# Altium PCB waffling60-ALPS.PcbDoc (part 1 of 2) (continued)
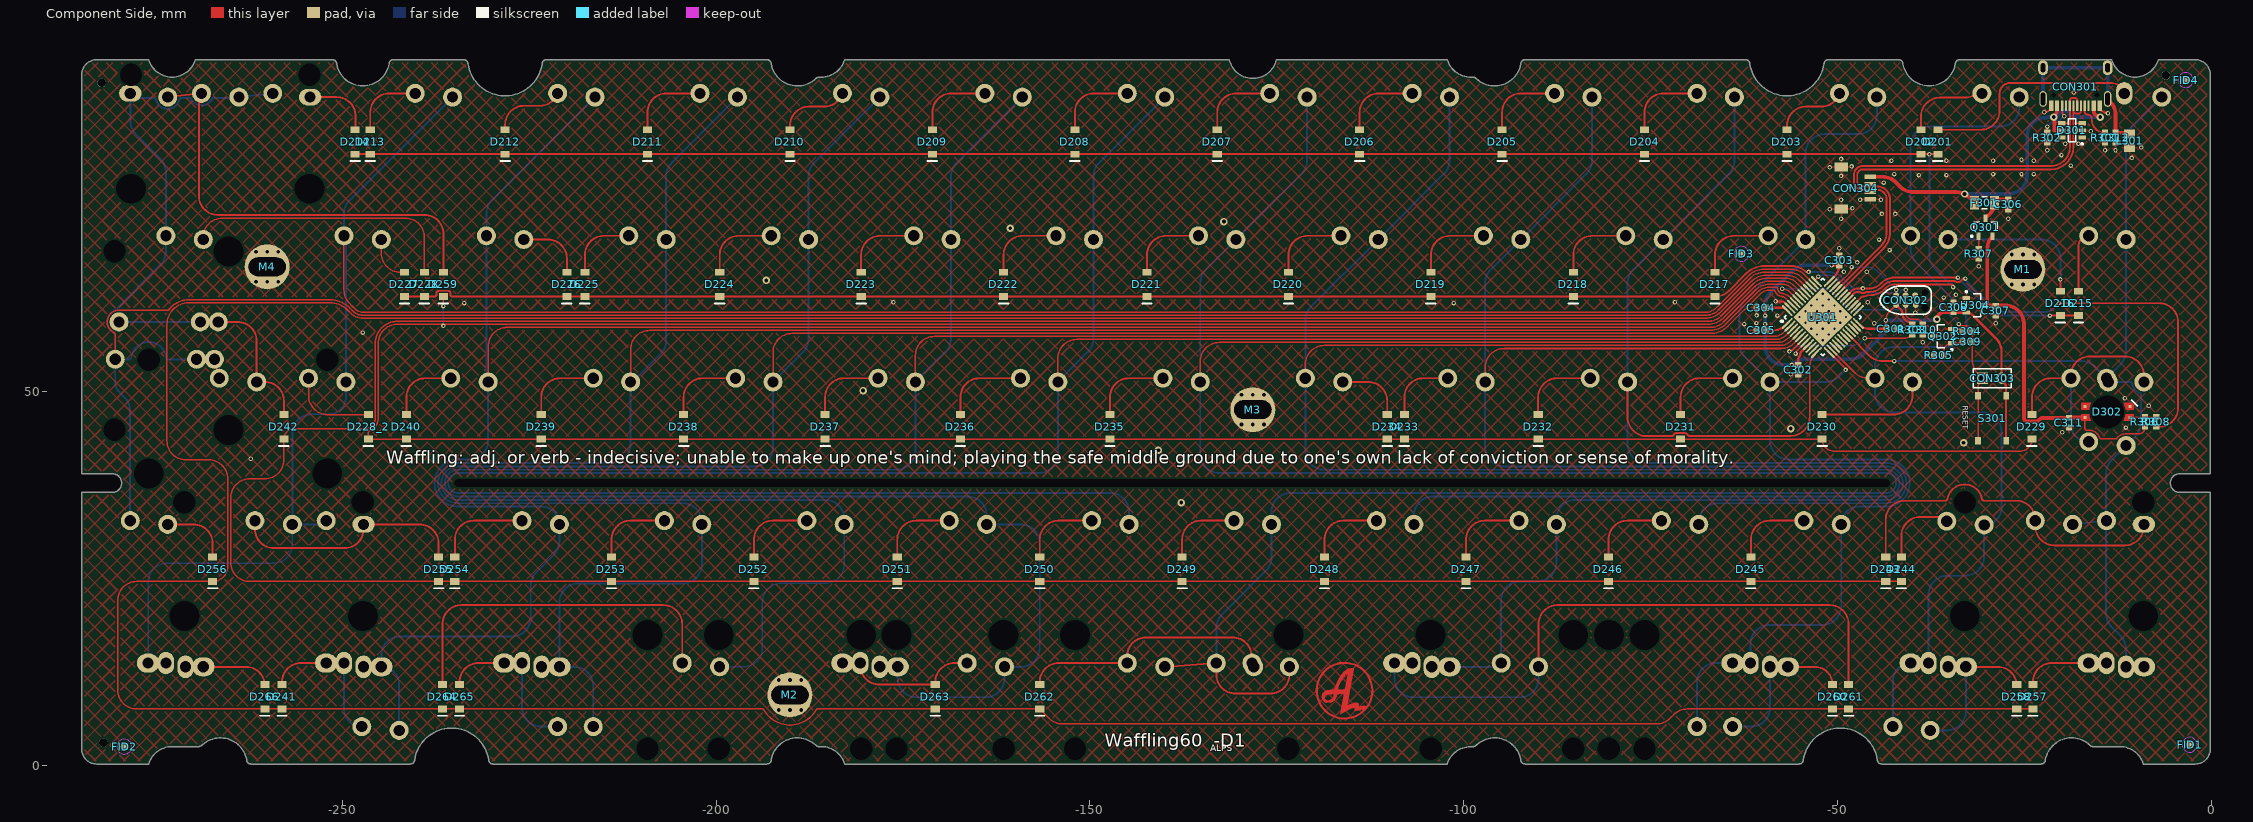
[diagram p0: Component Side view]
## Footprints (in the part's own frame and the unit in brackets; to place one, negate y for a bottom-side part, rotate by r counter-clockwise, add the part's x,y. Pads: shape width x height; smd on the part's side, far side on the other; paste and mask are expansions set on the pad)
Alps-switch#1 [mm]
  oval 3x2.2 hole 1.5 mask+0.102: 1(-2.5,4)
  round 2.54 hole 1.5 mask+0.102: 2(2.5,4.5)
  round 1 on Mech14: ""(0,0)
Alps-switch#2 [mm]
  round 2.54 hole 1.5 mask+0.102: 1(-2.5,4) 2(2.5,4.5)
  round 1 on Mech14: ""(0,0)
Alps-switch#3 [mm]
  oval 3x2.54 hole 1.5 mask+0.102: 1(-2.5,4)
  oval 2.2x3 hole 1.5 mask+0.102: 2(2.5,4.5)
  round 1 on Mech14: ""(0,0)
"ALPS-switch - 1.5u MOD-L" [mm]
  oval 3x2.54 hole 1.5 mask+0.102: 1(-4.881,4) 2(2.5,4.5)
  oval 2.2x3 hole 1.5 mask+0.102: 1(-2.5,4) 2(0.119,4.5)
  round 1 on Mech14: ""(-2.381,0) ""(0,0)
"ALPS-switch - 1.5u MOD-R" [mm]
  oval 3x2.54 hole 1.5 mask+0.102: 1(-2.5,4) 2(4.881,4.5)
  oval 2.2x3 hole 1.5 mask+0.102: 1(-0.119,4) 2(2.5,4.5)
  round 1 on Mech14: ""(0,0) ""(2.381,0)
"ALPS-switch - 3U - rotated stab"#1 [mm]
  oval 3x2.54 hole 1.5 mask+0.102: 1(-2.5,4)
  oval 2.2x3 hole 1.5 mask+0.102: 2(2.5,4.5)
  round 1.524 hole 3 unplated: ""(-19.05,-6.985) ""(19.05,-6.985)
  round 1.524 hole 4 unplated: ""(-19.05,8.255) ""(19.05,8.255)
  round 1 on Mech14: ""(0,0)
"ALPS-switch - 3U - rotated stab"#2 [mm]
  oval 2.2x3 hole 1.5 mask+0.102: 1(-2.5,4)
  oval 3x2.54 hole 1.5 mask+0.102: 2(2.5,4.5)
  round 1.524 hole 3 unplated: ""(-19.05,-6.985) ""(19.05,-6.985)
  round 1.524 hole 4 unplated: ""(-19.05,8.255) ""(19.05,8.255)
  round 1 on Mech14: ""(0,0)
"ALPS-switch - backspace" [mm]
  round 2.54 hole 1.5 mask+0.102: 1(2.5,4.5) 1(7.025,4) 2(-2.5,4)
  oval 3x2.2 hole 1.5 mask+0.102: 2(12.025,4.5)
  round 1.524 hole 4 unplated: ""(-11.938,-8.255) ""(11.938,-8.255)
  round 1.524 hole 3 unplated: ""(-11.938,6.985) ""(11.938,6.985)
  round 1 on Mech14: ""(0,0) ""(9.525,0)
"ALPS-switch - CAPS" [mm]
  round 2.54 hole 1.5 mask+0.102: 1(-7.263,4) 1(0.119,-4) 1(2.5,4.5) 2(-4.881,-4.5) 2(-2.5,4) 2(-2.262,4.5)
  round 1 on Mech14: ""(-4.763,0) ""(-2.381,0) ""(0,0)
"ALPS-switch - L split space_V3" [mm]
  round 2.54 hole 1.5 mask+0.102: 1(12.025,-4) 2(7.025,-4.5)
  round 1.524 hole 4 unplated: ""(-2.413,-8.255)
  round 1.524 hole 3 unplated: ""(-2.413,6.985)
  round 1 on Mech14: ""(9.525,0)
"ALPS-SWITCH - L_ALT - V3" [mm]
  oval 3x2.54 hole 1.5 mask+0.102: 1(-4.881,4) 2(2.5,4.5)
  oval 2.2x3 hole 1.5 mask+0.102: 1(-2.5,4) 2(0.119,4.5)
  round 2.54 hole 1.5 mask+0.102: 1(2.5,-4) 2(7.263,-4)
  round 1 on Mech14: ""(-2.381,0.048) ""(0,0) ""(4.763,0)
"ALPS-switch - L_WIN - V3" [mm]
  oval 3x2.54 hole 1.5 mask+0.102: 1(-4.881,4) 2(2.5,4.5)
  oval 2.2x3 hole 1.5 mask+0.102: 1(-2.5,4) 2(0.119,4.5)
  round 2.54 hole 1.5 mask+0.102: 1(-0.119,-4.5) 2(4.881,-4)
  round 1 on Mech14: ""(-2.381,0) ""(0,0) ""(2.381,0)
"ALPS-switch - Left shift v2" [mm]
  oval 3x2.2 hole 1.5 mask+0.102: 1(-12.025,4)
  round 2.54 hole 1.5 mask+0.102: 1(2.5,4.5) 2(-7.025,4.5) 2(-2.5,4)
  round 1.524 hole 4 unplated: ""(-11.938,-8.255) ""(11.938,-8.255)
  round 1.524 hole 3 unplated: ""(-11.938,6.985) ""(11.938,6.985)
  round 1 on Mech14: ""(-9.525,0) ""(0,0)
"ALPS-switch - R split space_V3" [mm]
  round 2.54 hole 1.5 mask+0.102: 1(2.5,-4) 2(-2.5,-4.5)
  round 1.524 hole 4 unplated: ""(-11.938,-8.255) ""(11.938,-8.255)
  round 1.524 hole 3 unplated: ""(-11.938,6.985) ""(11.938,6.985)
  round 1 on Mech14: ""(0,0)
"ALPS-SWITCH - R_ALT - V3" [mm]
  round 2.54 hole 1.5 mask+0.102: 1(-7.025,-4) 2(-2.262,-4)
  oval 3x2.54 hole 1.5 mask+0.102: 1(-2.5,4) 2(4.881,4.5)
  oval 2.2x3 hole 1.5 mask+0.102: 1(-0.119,4) 2(2.5,4.5)
  round 1 on Mech14: ""(-4.763,0) ""(0,0) ""(2.381,0)
"ALPS-switch - R_WIN V3" [mm]
  round 2.54 hole 1.5 mask+0.102: 1(-4.881,-4.5) 2(0.119,-4)
  oval 3x2.54 hole 1.5 mask+0.102: 1(-2.5,4) 2(4.881,4.5)
  oval 2.2x3 hole 1.5 mask+0.102: 1(-0.119,4) 2(2.5,4.5)
  round 1 on Mech14: ""(-2.381,0) ""(0,0) ""(2.381,0)
"ALPS-switch - right shift - stabs" [mm]
  round 2.54 hole 1.5 mask+0.102: 1(-7.025,4.5) 1(-2.5,4) 2(2.5,4.5)
  oval 3x2.2 hole 1.5 mask+0.102: 2(-12.025,4)
  round 1.524 hole 4 unplated: ""(-11.938,-8.255) ""(11.938,-8.255)
  round 1.524 hole 3 unplated: ""(-11.938,6.985) ""(11.938,6.985)
  round 1 on Mech14: ""(-9.525,0) ""(0,0)
"ALPS-switch - Space_V3" [mm]
  round 2.54 hole 1.5 mask+0.102: 1(-19.176,4) 1(-9.406,4.5) 1(-2.5,4) 2(-14.406,4) 2(-14.176,4.5) 2(2.5,4.5)
  round 1.524 hole 3 unplated: ""(-61.91,-6.985) ""(-57.15,-6.985) ""(38.09,-6.985) ""(57.15,-6.985)
  round 1.524 hole 4 unplated: ""(-61.91,8.255) ""(-57.15,8.255) ""(38.09,8.255) ""(57.15,8.255)
  round 1 on Mech14: ""(-16.676,0) ""(-11.906,0) ""(0,0)
"Alps-switch - switched pol"#1 [mm]
  oval 2.2x3 hole 1.5 mask+0.102: 1(2.5,4.5)
  round 2.54 hole 1.5 mask+0.102: 2(-2.5,4)
  round 1 on Mech14: ""(0,0)
"Alps-switch - switched pol"#2 [mm]
  round 2.54 hole 1.5 mask+0.102: 1(2.5,4.5) 2(-2.5,4)
  round 1 on Mech14: ""(0,0)
"Alps-switch - switched pol"#3 [mm]
  oval 3x2.54 hole 1.5 mask+0.102: 1(2.5,4.5)
  oval 2.2x3 hole 1.5 mask+0.102: 2(-2.5,4)
  round 1 on Mech14: ""(0,0)
C0603[1608] [mm] "Chip Resistor, 2-Leads, Body 1,57x0,80mm, IPC Medium Density"
  rect 0.8x0.85 smd: 1(-0.65,0) 2(0.65,0)
  body extent -0.83,-0.43 0.82,0.43, height 0.5
C1206[3216] [mm]
  rect 1.2x1.8 smd: 1(-1.35,0) 2(1.35,0)
  silkscreen extent -0.35,-0.8 0.35,0.8, body extent -1.6,-0.9 1.6,0.9, height 1.2
Fiducial_Nordic [mm]
  round 1 smd paste+0 mask+0.5: 0(0,0)
  Component Side keep-out circle w0.01: c0,0 r1
HDR1X2 [mm] "Connector; Header; 2 Position"
  rect 1.5x1.5 hole 0.9: 1(0,0)
  round 1.5 hole 0.9: 2(2.54,0)
  silkscreen extent -1.27,-1.27 3.81,1.27
"JST SM04B-SRSS-TB" [mm]
  rect 0.6x1.55 smd: 1(-1.5,3.875) 2(-0.5,3.875) 3(0.5,3.875) 4(1.5,3.875)
  rect 1.2x1.8 smd: 5(-2.8,0) 5(2.8,0)
  body extent -3.01,-0.76 2.99,4.19, height 3.25
L0805 [mm] "based on Sunlord-GZ2012D101TF_C1015 datasheet"
  rect 1.16x1.47 smd: 1(-0.92,0) 2(0.92,0)
  body extent -1.15,-0.72 1.15,0.72, height 1.02
mounting_hole [mm]
  round 1 hole 0.5 paste+0 mask+0: 1(-1.5,-2) 1(-1.5,2) 1(0,-2) 1(0,2) 1(1.5,-2) 1(1.5,2)
  round 6 hole 2.5 slot 5 at 0 deg mask+0: 1(0,0)
R0603[1608] [mm] "Chip Resistor, 2-Leads, Body 1,57x0,80mm, IPC Medium Density"
  rect 0.8x0.85 smd: 1(-0.65,0) 2(0.65,0)
  body extent -0.83,-0.43 0.82,0.43, height 0.5
"SK6812MINI-E - shaped" [mm]
  rect 0.4x0.4 smd: 1(3,0.75) 2(3,-0.75) 3(-3,-0.75) 4(-3,0.75)
  round 1 hole 4.4 unplated: ""(0,0)
  Component Side region: -3.5,0.304 -3.5,1.195 -2.157,1.195 -2.345,0.764 -2.447,0.304 -2.447,0.304 -2.449,0.304
  Component Side region: 2.447,0.304 2.345,0.764 2.157,1.195 2.157,1.195 3.5,1.195 3.5,0.304
  Component Side region: 2.157,-1.195 3.5,-1.195 3.5,-0.304 2.449,-0.304 2.447,-0.304 2.345,-0.764 2.157,-1.195
  Component Side region: -3.25,-1.195 -3.5,-0.945 -3.5,-0.304 -2.449,-0.304 -2.447,-0.304 -2.345,-0.764 -2.157,-1.195 -2.157,-1.195
  silkscreen extent -4.06,-1.65 -3.17,-0.76, body extent -2.94,-1.4 2.94,1.4, height 0.94
SOD-123 [mm]
  rect 0.91x1.22 smd: 1(1.635,0) 2(-1.635,0)
  silkscreen extent -2.54,-0.64 -2.54,0.63, body extent -1.87,-0.85 1.88,0.85, height 1.2
SOT-23-3 [mm] "3.3v regulator, used in Windsond S2 proto 1"
  rect 1x0.55 smd: 1(-1.2,0.95) 2(-1.2,-0.95) 3(1.2,0)
  silkscreen extent -1.32,-1.55 0.7,1.95, body extent -1.45,-1.5 1.1,1.5, height 1
SOT-23-6 [mm]
  rect 1x0.55 smd: 1(-1.375,0.95) 2(-1.375,0) 3(-1.375,-0.95) 4(1.375,-0.95) 5(1.375,0) 6(1.375,0.95)
  silkscreen extent -1.5,-1.55 0.46,1.92, body extent -1.37,-1.44 1.47,1.49, height 1.05
"Stab 10U" [mil]
  round 60 hole 157.48 unplated: ""(-2625,-325) ""(2625,-325)
  round 60 hole 118.11 unplated: ""(-2625,275) ""(2625,275)
  round 39.37 on Mech14: ""(0,0)
"STM32 - COMBO 7X7MM" [mm] "LQFP48, 7x7mm"
  oval 1.45x0.3 smd paste-5: 1(-4.225,2.75) 2(-4.225,2.25) 3(-4.225,1.75) 4(-4.225,1.25) 5(-4.225,0.75) 6(-4.225,0.25) 7(-4.225,-0.25) 8(-4.225,-0.75) 9(-4.225,-1.25) 10(-4.225,-1.75) 11(-4.225,-2.25) 12(-4.225,-2.75) 25(4.225,-2.75) 26(4.225,-2.25) 27(4.225,-1.75) 28(4.225,-1.25) 29(4.225,-0.75) 30(4.225,-0.25) 31(4.225,0.25) 32(4.225,0.75) 33(4.225,1.25) 34(4.225,1.75) 35(4.225,2.25) 36(4.225,2.75)
  oval 0.8x0.25 smd: 1(-3.4,2.75) 2(-3.4,2.25) 3(-3.4,1.75) 4(-3.4,1.25) 5(-3.4,0.75) 6(-3.4,0.25) 7(-3.4,-0.25) 8(-3.4,-0.75) 9(-3.4,-1.25) 10(-3.4,-1.75) 11(-3.4,-2.25) 12(-3.4,-2.75) 25(3.4,-2.75) 26(3.4,-2.25) 27(3.4,-1.75) 28(3.4,-1.25) 29(3.4,-0.75) 30(3.4,-0.25) 31(3.4,0.25) 32(3.4,0.75) 33(3.4,1.25) 34(3.4,1.75) 35(3.4,2.25) 36(3.4,2.75)
  oval 0.25x0.8 smd: 13(-2.75,-3.4) 14(-2.25,-3.4) 15(-1.75,-3.4) 16(-1.25,-3.4) 17(-0.75,-3.4) 18(-0.25,-3.4) 19(0.25,-3.4) 20(0.75,-3.4) 21(1.25,-3.4) 22(1.75,-3.4) 23(2.25,-3.4) 24(2.75,-3.4) 37(2.75,3.4) 38(2.25,3.4) 39(1.75,3.4) 40(1.25,3.4) 41(0.75,3.4) 42(0.25,3.4) 43(-0.25,3.4) 44(-0.75,3.4) 45(-1.25,3.4) 46(-1.75,3.4) 47(-2.25,3.4) 48(-2.75,3.4)
  oval 0.3x1.45 smd paste-5: 13(-2.75,-4.225) 14(-2.25,-4.225) 15(-1.75,-4.225) 16(-1.25,-4.225) 17(-0.75,-4.225) 18(-0.25,-4.225) 19(0.25,-4.225) 20(0.75,-4.225) 21(1.25,-4.225) 22(1.75,-4.225) 23(2.25,-4.225) 24(2.75,-4.225) 37(2.75,4.225) 38(2.25,4.225) 39(1.75,4.225) 40(1.25,4.225) 41(0.75,4.225) 42(0.25,4.225) 43(-0.25,4.225) 44(-0.75,4.225) 45(-1.25,4.225) 46(-1.75,4.225) 47(-2.25,4.225) 48(-2.75,4.225)
  rect 5.6x5.6 smd: 47(0,0)
  silkscreen extent -4.43,-3.65 3.65,3.65, body extent -3.52,-3.52 3.52,3.52, height 0.5
TC2030-IDC-NL [mm] "Tag-Connect 6-Pin with No Legs (PN# TC2030-IDC-NL)"
  round 0.9 hole 0.995 unplated: 0(-2.54,0) 0(2.54,-1.016) 0(2.54,1.016)
  round 0.79 smd paste-0.39: 1(-1.27,-0.635) 2(-1.27,0.635) 3(0,-0.635) 4(0,0.635) 5(1.35,-0.635) 6(1.27,0.635)
  silkscreen extent -3.43,-1.91 3.43,1.9
TYPE-C-31-M-12 [mm]
  rect 0.6x1.45 smd: A1B12(-3.25,0) A4B9(-2.45,0) B1A12(3.25,0) B4A9(2.45,0)
  rect 0.3x1.45 smd: A5(-1.25,0) A6(-0.25,0) A7(0.25,0) A8(1.25,0) B5(1.75,0) B6(0.75,0) B7(-0.75,0) B8(-1.75,0)
  oval 1x2.1 / inner oval 1.3x2.4 / far side oval 1.3x2.4 hole 0.6 slot 1.7 at 90 deg: S1(-4.32,-0.915) S1(4.32,-0.915)
  oval 1.3x2 hole 0.6 slot 1.2 at 90 deg: S1(-4.32,-5.095) S1(4.32,-5.095)
  round 0 hole 0.65 unplated: ""(-2.89,-1.445) ""(2.89,-1.445)
  body extent -4.47,-7.72 4.47,0.18, height 3.21
"XKB Switch" [mm] "XKB Enterprise TS-1187A-C-D-B"
  rect 1x0.75 smd: 1(-3,1.875) 1(3,1.875) 2(-3,-1.875) 2(3,-1.875)
  body extent -3.25,-2.55 3.25,2.55, height 2
? [mm]
  round 2.54 hole 1.5 mask+0.102: 1(-2.5,4) 1(2.649,12.03) 1(5.03,12.03) 1(15.911,12.03) 2(2.5,4.5) 2(3.149,7.03) 2(5.53,7.03) 2(16.411,7.03)
  round 1.524 hole 4 unplated: ""(-11.938,-8.255) ""(1.275,-2.408) ""(1.275,21.468) ""(11.938,-8.255)
  round 1.524 hole 3 unplated: ""(-11.938,6.985) ""(11.938,6.985) ""(16.515,-2.408) ""(16.515,21.468)
  round 1 on Mech14: ""(0,0) ""(7.149,9.53) ""(9.53,9.53) ""(11.911,9.53)

## Part data
C301 C302 C303 C304 C305 C311 C312: library part Cap, "Capacitor", LCSC MFG=YAGEO, LCSC Part #=C14663, MRF.Part=CC0603KRX7R9BB104, Version="0603 imperial"
C306 C309: library part Cap, "Capacitor", LCSC MFG="Samsung Electro-Mechanics", LCSC Part #=C19666, MRF.Part=CL10A475KO8NNNC, Version="0603 imperial"
C307 C308: library part Cap, "Capacitor", LCSC MFG="Samsung Electro-Mechanics", LCSC Part #=C15849, MRF.Part=CL10A105KB8NNNC, Version="0603 imperial"
C310: library part Cap, "Capacitor", LCSC MFG="Samsung Electro-Mechanics", LCSC Part #=C1623, MRF.Part=CL10B474KA8NNNC, Version="0603 imperial"
CON301: LCSC MFG="Korean Hroparts Elec", LCSC Part #=C165948, MRF.Part=TYPE-C-31-M-12
CON302: library part "Header 3X2", "Header, 3-Pin, Dual row"
CON303: "Header, 2-Pin"
CON304: "JST for USB daughter board", LCSC MFG="JST Sales America", LCSC Part #=C160404, MRF.Part=SM04B-SRSS-TB(LF)(SN)
D201 D202 D203 D204 D205 D206 D207 D208 D209 D210 D211 D212 D213 D214 D215 D216 D217 D218 D219 D220 D221 D222 D223 D224 D225 D226 D227 D228 D228_2 D229 D230 D231 D232 D233 D234 D235 D236 D237 D238 D239 D240 D241 D242 D243 D244 D245 D246 D247 D248 D249 D250 D251 D252 D253 D254 D255 D256 D257 D258 D259 D260 D261 D262 D263 D264 D265 D266: "Default Diode", LCSC MFG=ST(Semtech), LCSC Part #=C81598, MRF.Part=1N4148W, Version=SOD-123
D301: LCSC MFG="ProTek Devices", LCSC Part #=C85364, MRF.Part=SRV05-4-P-T7
D302: LCSC MFG=TONYU, LCSC Part #=C524051, MRF.Part=DY-S352818/RGBC/6812-2T
F301: "Thermal Fuse", LCSC MFG="Shenzhen JDT Fuse", LCSC Part #=C135338, MRF.Part=ASMD1206-050
L301: LCSC MFG=Sunlord, LCSC Part #=C1015, MRF.Part=GZ2012D101TF, Version="0806 imperial"
Q301: "P-Channel Power MOSFET", LCSC MFG="Vishay Intertech", LCSC Part #=C10487, MRF.Part=SI2301CDS-T1-GE3, Version=SOT23-3
Q302: library part MOSFET-N, "N-Channel MOSFET", LCSC MFG="Changjiang Electronics Tech (CJ)", LCSC Part #=C8545, MRF.Part=2N7002
R301 R302: "Resistor", LCSC MFG="Uniroyal Elec", LCSC Part #=C23186, MRF.Part=0603WAF5101T5E, Version="0603 imperial"
R303 R304 R306 R307: "Resistor", LCSC MFG="Uniroyal Elec", LCSC Part #=C25804, MRF.Part=0603WAF1002T5E, Version="0603 imperial"
R305: "Resistor", LCSC MFG="Uniroyal Elec", LCSC Part #=C25803, MRF.Part=0603WAF1003T5E, Version="0603 imperial"
R308: "Resistor", LCSC MFG="UNI-ROYAL(Uniroyal Elec)", LCSC Part #=C23179, MRF.Part=0603WAF4700T5E, Version="0603 imperial"
S201 S202 S203 S204 S205 S206 S207 S208 S209 S210 S211 S212 S213 S214 S216 S217 S218 S219 S220 S221 S222 S223 S224 S225 S226 S227 S228 S228_2 S229 S230 S231 S232 S233 S234 S235 S236 S237 S238 S239 S240 S241 S242 S243 S244 S245 S246 S247 S248 S249 S250 S251 S252 S253 S254 S256 S257 S258 S259 S260 S261 S261_1 S261_2 S262 S263 S263_1 S263_2 S264 S265 S266 S269: library part SW-PB, "Switch"
S215: library part SW-PB, "TAB"
S301: "Switch", LCSC MFG="XKB Enterprise", LCSC Part #=C318888, MRF.Part=TS-1187A-C-D-B
U301: LCSC MFG=Geehy, LCSC Part #=C915660, MRF.Part=APM32F072CBT6
U304: library part "SOT23 LDO", LCSC MFG="Torex Semicon", LCSC Part #=C5446, MRF.Part=XC6206P332MR

## Free pads (board coordinates)
  round 1.152 hole 1.152 unplated paste+0.148 mask+0.148: ""(-282.194,91.313) ""(-281.94,3.048) ""(-6.096,92.329)
  round 0 hole 1 slot 192 at 0 deg unplated: ""(-139,37.79)

## Via types
v1: diameter 0.6, hole 0.3, Component Side to Bottom Layer, tented both sides, 102 vias
v2: diameter 0.6, hole 0.3, Component Side to Bottom Layer, tented bottom, 25 vias
v3: diameter 1, hole 0.5, Component Side to Bottom Layer, tented both sides, 12 vias

## Nets (pads, with @x,y where several pads share a name; then routed paths per layer and width w, separated by ;. In a path a pad name is that pad's centre, name@x,y a point inside that pad or via, vN(x,y) a via of type N, cw(c..) or ccw(c..) an arc to the next point about the centre after c; other vN are vias at no path point)
BOOT0: C309.1 CON303.1 R304.1 S301.2 U301.44 | length 46.1
  Component Side w0.203: v1(-57.404,63.777) cw(c-57.404,62.339) -57.245,63.769 cw(c-57.404,62.339) -56.387,63.356 U301.44@-55.488,62.457 ; v1(-33.782,59.055) ccw(c-33.528,59.055) -33.528,58.801 -32.716,58.801 cw(c-32.716,58.074) R304.1@-31.989,58.074 C309.1@-31.989,56.677 -31.989,54.25 ccw(c-29.449,54.25) -31.245,52.454 CON303.1@-30.607,51.816 ccw(c-29.146,50.355) -31.212,50.355 S301.2@-31.212,49.482 S301.2@-31.212,43.482
  Bottom Layer w0.203: v1(-57.404,63.777) -52.009,63.777 cw(c-52.009,61.529) -50.419,63.119 -48.895,61.595 ccw(c-47.362,63.128) -48.894,61.594 ccw(c-47.362,63.128) -47.362,60.96 -41.687,60.96 ccw(c-41.687,62.261) -40.767,61.341 -40.618,61.49 cw(c-38.831,59.703) -38.831,62.23 -38.009,62.23 cw(c-38.009,59.69) -36.239,61.512 cw(c-38.009,59.69) -36.213,61.486 v1(-33.782,59.055)
col1: S201.2 S215.2 S229.2 S243.2 S257.1 U301.20 | length 126.8
  Component Side w0.254: U301.20@-48.452,57.543 -45.755,54.846 ccw(c-43.959,56.642) -43.959,54.102 v1(-42.418,54.102)
  Bottom Layer w0.254: v1(-42.418,54.102) -17.37,54.102 cw(c-17.37,51.562) -15.574,53.358 S229.2@-14.031,51.815 -12.156,53.69 ccw(c-13.952,55.486) -11.412,55.486 S215.2@-11.412,70.365 -11.412,83.6 cw(c-8.872,83.6) -10.669,85.396 S201.2@-6.65,89.415 ; S243.2@-18.556,32.265 S243.2@-14.071,32.761 ; S243.2@-14.031,32.765 S243.2@-14.071,32.761 ; S229.2@-13.794,51.315 -10.866,51.315 cw(c-10.865,51.061) -10.613,51.096 ccw(c-9.031,51.315) -9.554,49.806 cw(c-9.031,51.315) -10.282,50.322 ; S257.1@-11.412,13.215 -11.412,15.567 ccw(c-13.952,15.567) -12.156,17.363 -13.327,18.534 cw(c-11.531,20.33) -14.071,20.33 S243.2@-14.071,32.761 ; -9.553,49.806 cw(c-9.635,49.565) -9.551,49.805 cw(c-9.635,49.565) -9.398,49.657 -9.398,45.882 cw(c-11.938,45.882) -10.142,44.086 S229.2@-11.412,42.815 -13.327,40.9 ccw(c-11.531,39.104) -14.071,39.104 S243.2@-14.071,32.761
col2: S202.2 S216.2 S230.2 S244.1 S258.2 U301.14 | length 139.1
  Component Side w0.203: U301.14@-50.573,55.421 -47.711,52.559 ccw(c-45.915,54.355) -45.915,51.815 S230.2@-44.987,51.815
  Bottom Layer w0.254: S258.2@-42.606,5.215 -42.606,11.334 cw(c-40.224,11.334) S258.2@-40.224,13.715 ; S258.2@-37.843,13.715 -37.843,22.86 cw(c-35.303,22.86) -35.303,25.4 -32.933,25.4 ccw(c-32.933,27.94) -30.393,27.94 S244.1@-30.393,32.194 ccw(c-30.393,34.52) -28.067,34.52 -28.067,44.704 ccw(c-30.607,44.704) -30.607,47.244 -42.447,47.244 cw(c-42.447,49.784) -44.987,49.784 S230.2@-44.987,51.815 -44.987,53.467 cw(c-42.447,53.467) -42.447,56.007 -35.306,56.007 ccw(c-35.306,58.547) -32.766,58.547 -32.766,59.527 ccw(c-35.306,59.527) -33.51,61.323 -39.481,67.294 cw(c-37.685,69.09) -40.225,69.09 S216.2@-40.225,70.865 -40.225,82.931 cw(c-37.685,82.931) -37.685,85.471 -28.24,85.471 ccw(c-28.24,88.011) -25.7,88.011 S202.2@-25.7,89.415
col3: S203.2 S217.2 S231.2 S245.2 S260.2 U301.13 | length 147
  Component Side w0.254: U301.13@-50.927,55.068 -48.995,53.135 -48.995,52.992 v1(-48.928,52.926)
  Bottom Layer w0.254: S260.2@-68.799,5.215 -68.799,11.175 cw(c-66.259,11.175) -66.259,13.715 S260.2@-64.037,13.715 ; S260.2@-61.656,13.715 -61.656,16.256 cw(c-59.116,16.256) -59.116,18.796 -52.052,18.796 ccw(c-52.052,21.336) -49.512,21.336 S245.2@-49.512,32.265 cw(c-47.135,32.265) -47.135,34.642 -43.5,34.642 ccw(c-43.5,37.79) -43.5,40.938 -56.497,40.938 cw(c-56.497,43.478) -59.037,43.478 S231.2@-59.037,51.315 ; v1(-48.928,52.926) -49.795,52.059 cw(c-51.591,53.855) -51.591,51.315 S231.2@-59.037,51.315 ; S203.2@-44.75,89.415 -44.75,86.995 cw(c-47.29,86.995) -47.29,84.455 -51.735,84.455 ccw(c-51.735,81.915) -54.275,81.915 S217.2@-54.275,70.365 -62.375,62.265 ccw(c-60.579,60.469) -63.119,60.469 -63.119,56.449 ccw(c-60.579,56.449) -62.375,54.653 S231.2@-59.037,51.315
col4: S204.2 S218.2 S232.2 S246.2 U301.12 | length 164.4
  Component Side w0.254: S232.2@-78.087,51.452 S232.2@-78.087,51.315 -78.087,46.609 ccw(c-75.547,46.609) -76.017,44.113 ccw(c-75.971,44.363) -75.972,44.109 -72.136,44.109 ccw(c-72.138,44.363) -71.904,44.263 cw(c-71.603,44.135) -71.603,44.462 -70.383,44.462 cw(c-70.383,44.135) -70.082,44.262 ccw(c-69.848,44.363) -69.85,44.109 -56.261,44.109 ccw(c-56.261,46.649) -53.721,46.649 -53.721,53.359 cw(c-51.304,53.359) U301.12@-53.013,55.068
  Bottom Layer w0.254: S246.2@-68.562,32.265 -68.562,32.556 cw(c-66.022,32.556) -66.022,35.096 -43.5,35.096 ccw(c-43.5,37.79) -43.5,40.484 -75.547,40.484 cw(c-75.547,43.024) -78.087,43.024 S232.2@-78.087,51.315 -78.087,64.55 cw(c-75.547,64.55) -77.344,66.346 S218.2@-73.325,70.365 -64.544,79.146 ccw(c-66.34,80.942) -63.8,80.942 S204.2@-63.8,89.415
col5: S205.2 S219.2 S233.2 S247.2 S261.2 S261_1.2 S261_2.1 U301.6 | length 237.8
  Component Side w0.203: S233.2@-97.137,51.315 -97.137,53.251 cw(c-94.597,53.251) -94.597,55.791 -57.521,55.791 ccw(c-57.521,58.178) -55.834,56.49 ; -55.833,56.49 U301.6@-55.134,57.189
  Bottom Layer w0.254: S261_2.1@-101.899,13.215 -95.493,13.215 ccw(c-95.493,13.715) S261.2@-94.993,13.715 -94.993,22.098 cw(c-92.453,22.098) -92.453,24.638 -90.152,24.638 ccw(c-90.152,27.178) -87.612,27.178 S247.2@-87.612,32.265 -87.612,33.01 cw(c-85.072,33.01) -85.072,35.55 -43.5,35.55 ccw(c-43.5,37.79) -43.5,40.03 -94.597,40.03 cw(c-94.597,42.57) -97.137,42.57 S233.2@-97.137,51.315 -97.137,64.55 cw(c-94.597,64.55) -96.394,66.346 S219.2@-92.375,70.365 -83.594,79.146 ccw(c-85.39,80.942) -82.85,80.942 S205.2@-82.85,89.415
col6: S206.2 S220.2 S234.2 S248.2 U301.5 | length 275.1
  Component Side w0.203: S234.2@-121.187,51.815 -121.187,53.654 cw(c-118.647,53.654) -118.647,56.194 -57.79,56.194 ccw(c-57.79,58.496) -56.163,56.868 ccw(c-57.79,58.496) -56.162,56.869 U301.5@-55.488,57.543
  Bottom Layer w0.254: S248.2@-106.662,32.265 -106.662,33.464 cw(c-104.122,33.464) -104.122,36.004 -43.5,36.004 ccw(c-43.5,37.79) -43.5,39.576 -118.647,39.576 cw(c-118.647,42.116) -121.187,42.116 S234.2@-121.187,51.815 -121.187,59.55 cw(c-118.647,59.55) -120.444,61.346 S220.2@-111.425,70.365 -102.644,79.146 ccw(c-104.44,80.942) -101.9,80.942 S206.2@-101.9,89.415
col7: S207.2 S221.2 S235.2 S249.2 S262.1 U301.4 | length 364
  Component Side w0.203: S235.2@-135.237,51.315 -135.237,54.058 cw(c-132.697,54.058) -132.697,56.598 -58.059,56.598 ccw(c-58.059,58.815) -56.492,57.246 ; -56.491,57.247 U301.4@-55.841,57.896
  Component Side w0.254: S262.1@-139.999,13.215 S262.1@-133.093,13.715 -133.093,12.192 ccw(c-130.553,12.192) -130.553,9.652 -125.863,9.652 ccw(c-125.863,12.192) -123.323,12.192 S262.1@-123.323,13.215 ; S262.1@-133.443,14.295 S262.1@-133.443,14.605
  Bottom Layer w0.254: S262.1@-133.093,13.715 -133.093,18.382 cw(c-130.553,18.382) -132.349,20.178 -126.456,26.071 ccw(c-128.252,27.867) -125.712,27.867 S249.2@-125.712,32.265 -125.712,33.918 cw(c-123.172,33.918) -123.172,36.458 -43.5,36.458 ccw(c-43.5,37.79) -43.5,39.122 -132.697,39.122 cw(c-132.697,41.662) -135.237,41.662 S235.2@-135.237,51.315 -135.237,64.55 cw(c-132.697,64.55) -134.494,66.346 S221.2@-130.475,70.365 -121.694,79.146 ccw(c-123.49,80.942) -120.95,80.942 S207.2@-120.95,89.415
col8: S208.2 S222.2 S236.2 S250.2 U301.3 | length 335.3
  Component Side w0.203: S236.2@-154.287,51.315 -154.287,54.461 cw(c-151.747,54.461) -151.747,57.001 -58.327,57.001 ccw(c-58.327,59.133) -56.82,57.625 U301.3@-56.195,58.25
  Bottom Layer w0.254: S250.2@-144.762,32.265 -144.762,33.918 ccw(c-147.302,33.918) -147.302,36.458 -234.5,36.458 cw(c-234.5,37.79) -234.5,39.122 -156.827,39.122 ccw(c-156.827,41.662) -154.287,41.662 S236.2@-154.287,51.315 -150.269,55.334 ccw(c-152.065,57.13) -149.525,57.13 S222.2@-149.525,70.365 -149.525,78.838 cw(c-146.985,78.838) -148.781,80.634 S208.2@-140,89.415
col9: S209.2 S223.2 S237.2 S251.2 S263.1 S263_1.1 S263_2.1 U301.2 | length 365.7
  Component Side w0.203: S237.2@-173.337,51.315 -173.337,54.864 cw(c-170.797,54.864) -170.797,57.404 -58.596,57.404 ccw(c-58.596,59.452) -57.149,58.003 U301.2@-56.549,58.603
  Bottom Layer w0.254: S263_1.1@-175.718,13.215 -175.718,11.684 ccw(c-173.178,11.684) -173.178,9.144 -163.971,9.144 ccw(c-163.971,11.684) -161.431,11.684 S263.1@-161.431,13.215 -159.258,13.215 ccw(c-159.258,15.755) -156.718,15.755 -156.718,29.725 ccw(c-159.258,29.725) -159.258,32.265 S251.2@-163.812,32.265 -163.812,33.464 ccw(c-166.352,33.464) -166.352,36.004 -234.5,36.004 cw(c-234.5,37.79) -234.5,39.576 -175.877,39.576 ccw(c-175.877,42.116) -173.337,42.116 S237.2@-173.337,51.315 -169.319,55.334 ccw(c-171.115,57.13) -168.575,57.13 S223.2@-168.575,70.365 -168.575,78.838 cw(c-166.035,78.838) -167.831,80.634 S209.2@-159.05,89.415
col10: S210.2 S224.2 S238.2 S252.2 S264.2 U301.46 | length 334
  Component Side w0.203: S238.2@-192.387,51.315 -192.387,55.267 cw(c-189.847,55.267) -189.847,57.807 -67.023,57.807 ccw(c-67.023,61.154) -64.657,58.787 ; -64.657,58.787 -60.594,62.85 ; -60.594,62.85 -60.382,63.062 ; -60.382,63.062 cw(c-59.153,61.839) -59.153,63.573 -58.54,63.573 cw(c-58.541,63.369) -58.35,63.439 ccw(c-57.404,63.777) -58.083,63.036 ccw(c-57.404,63.777) -57.631,62.799 cw(c-57.677,62.601) -57.601,62.789 ccw(c-57.447,63.162) -57.505,62.763 ccw(c-57.447,63.162) -57.501,62.762 cw(c-57.649,61.731) -57.353,62.73 ; -57.249,62.709 ccw(c-57.308,62.514) -57.285,62.716 cw(c-57.24,63.117) -57.353,62.73 ; U301.46@-56.195,61.75 -56.912,62.468 ccw(c-57.649,61.731) -57.353,62.73
  Bottom Layer w0.203: S264.2@-199.531,13.215 -196.342,13.215 ccw(c-196.342,15.755) -193.802,15.755 -193.802,21.844 cw(c-191.262,21.844) -191.262,24.384 -185.402,24.384 ccw(c-185.402,26.924) -182.862,26.924 S252.2@-182.862,32.265
  Bottom Layer w0.254: S252.2@-182.862,32.265 -182.862,33.01 ccw(c-185.402,33.01) -185.402,35.55 -234.5,35.55 cw(c-234.5,37.79) -234.5,40.03 -194.927,40.03 ccw(c-194.927,42.57) -192.387,42.57 S238.2@-192.387,51.315 -188.369,55.334 ccw(c-190.165,57.13) -187.625,57.13 S224.2@-187.625,70.365 -187.625,78.838 cw(c-185.085,78.838) -186.881,80.634 S210.2@-178.1,89.415
col11: S211.2 S225.2 S239.2 S253.2 S265.1 U301.45 | length 331.4
  Component Side w0.203: S239.2@-211.437,51.315 -211.437,55.67 cw(c-208.897,55.67) -208.897,58.21 -67.023,58.21 ccw(c-67.023,61.154) -64.943,59.071 -60.879,63.135 -60.665,63.349 cw(c-59.153,61.839) -59.153,63.976 -58.193,63.976 cw(c-58.209,63.773) -58.006,63.775 ccw(c-57.404,63.777) -58.003,63.722 ccw(c-57.404,63.777) -57.511,63.185 cw(c-57.549,62.986) -57.448,63.162 cw(c-57.672,61.346) -56.377,62.64 U301.45@-55.841,62.104 ; -57.447,63.162 cw(c-57.649,61.731) -57.24,63.117
  Bottom Layer w0.254: S265.1@-216.437,5.215 -216.437,10.675 ccw(c-218.977,10.675) -218.977,13.215 S265.1@-220.962,13.215 -220.962,21.844 cw(c-218.422,21.844) -218.422,24.384 -204.452,24.384 ccw(c-204.452,26.924) -201.912,26.924 S253.2@-201.912,32.265 -201.912,32.556 ccw(c-204.452,32.556) -204.452,35.096 -234.5,35.096 cw(c-234.5,37.79) -234.5,40.484 -213.977,40.484 ccw(c-213.977,43.024) -211.437,43.024 -211.437,51.054 -207.419,55.073 ccw(c-209.215,56.869) -206.675,56.869 S225.2@-206.675,70.365 -206.675,78.838 cw(c-204.135,78.838) -205.931,80.634 S211.2@-197.15,89.415
col12: S212.2 S226.2 S240.2 S241.1 S254.2 U301.43 | length 314.6
  Component Side w0.203: S240.2@-230.487,51.315 -230.487,56.074 cw(c-227.947,56.074) -227.947,58.614 -67.023,58.614 ccw(c-67.023,61.154) -65.227,59.358 -60.949,63.635 cw(c-59.153,61.839) -59.153,64.379 -57.277,64.379 cw(c-57.277,62.992) -56.297,63.973 ; -56.296,63.973 U301.43@-55.134,62.811
  Bottom Layer w0.254: S241.1@-242.393,4.715 -242.393,10.834 ccw(c-244.774,10.834) S241.1@-244.774,13.215 -244.774,14.732 cw(c-242.234,14.732) -242.234,17.272 -227.33,17.272 ccw(c-227.33,19.812) -224.79,19.812 -224.79,24.094 cw(c-222.25,24.094) -224.046,25.89 -221.706,28.23 ccw(c-223.502,30.026) -220.962,30.026 S254.2@-220.962,32.265 ccw(c-223.339,32.265) -223.339,34.642 -234.5,34.642 cw(c-234.5,37.79) -234.5,40.938 -233.027,40.938 ccw(c-233.027,43.478) -230.487,43.478 S240.2@-230.487,51.315 cw(c-230.487,51.553) -230.725,51.553 S226.2@-230.725,70.865 -230.725,73.838 cw(c-228.185,73.838) -229.981,75.634 S212.2@-216.2,89.415
col13: S213.2 S227.2 S228_2.2 S256.1 S266.2 U301.38 | length 317.8
  Component Side w0.203: S227.2@-249.775,70.865 -249.775,63.624 ccw(c-247.235,63.624) -249.031,61.828 -248.591,61.388 -248.263,61.06 ccw(c-247.225,62.096) -247.225,60.63 -67.691,60.63 ccw(c-67.691,62.766) -67.318,60.662 ccw(c-67.355,60.862) -67.306,60.665 -67.305,60.665 ccw(c-67.976,63.287) -66.062,61.374 -61.902,65.534 cw(c-59.821,63.452) -59.821,66.395 -56.198,66.395 cw(c-56.198,63.944) -54.465,65.677 U301.38@-53.367,64.579
  Component Side w0.254: S256.1@-252.655,32.265 ccw(c-252.655,32.765) S256.1@-252.155,32.765
  Bottom Layer w0.203: S266.2@-275.968,13.715 -275.968,24.511 cw(c-273.428,24.511) -273.428,27.051 -259.22,27.051 ccw(c-259.22,29.591) -256.68,29.591 S256.1@-256.68,32.265
  Bottom Layer w0.254: S256.1@-252.155,32.765 cw(c-252.655,32.765) -252.655,32.265 S256.1@-256.68,32.265 -256.68,44.45 cw(c-254.14,44.45) -254.14,46.99 -251.841,46.99 ccw(c-251.841,49.319) -249.512,49.319 S228_2.2@-249.512,51.315 -249.512,70.23 ccw(c-250.41,70.23) S227.2@-249.775,70.865 ; S227.2@-249.836,70.626 ccw(c-250.275,70.865) S227.2@-249.775,70.865 ; S213.2@-235.25,89.415 -249.031,75.634 ccw(c-247.235,73.838) -249.775,73.838 S227.2@-249.775,70.865